# Allegro board SDHCalFEB.brd (continued)
## Routing (per net, layer and track width the routed paths; a pad name or vN(x,y) marks a point on that pad's centre or on a via; arc(x,y) is an arc through that point) (continued)
104.34,100.25 ; v2(104.78,100.25) 105.21,100.25 ; v2(104.78,100.25) 104.78,99.82 ; v2(262.81,259) 262.81,259.44 ; v2(262.81,259) 262.81,258.57 ; v2(262.81,259) 263.25,259 ; v2(262.81,259) 262.38,259 ; 175.26,323.01 v2(175.69,323.01) ; v2(175.69,323.01) 175.69,323.44 ; v2(175.69,323.01) 175.69,322.58 ; v2(175.69,323.01) 176.12,323.01 ; v2(179.83,33.55) 179.83,33.99 ; v2(179.83,33.55) 180.26,33.55 ; v2(179.83,33.55) 179.4,33.55 ; v2(179.83,33.55) 179.83,33.12 ; 178.26,28.19 v1(178.69,28.19) ; v1(178.69,28.19) 178.69,28.63 ; v1(178.69,28.19) 179.12,28.19 ; v1(178.69,28.19) 178.69,27.76 ; 172.19,273.53 v2(172.19,273.96) ; v2(172.19,273.96) 172.19,274.4 ; v2(172.19,273.96) 171.75,273.96 ; v2(172.19,273.96) 172.62,273.96 ; v2(97.92,174.45) 98.35,174.45 ; v2(97.92,174.45) 97.92,174.01 ; v2(97.92,174.45) 97.48,174.45 ; v2(97.92,174.45) 97.92,174.88 ; v2(189.66,173.3) 190.09,173.3 ; v2(189.66,173.3) 189.66,173.74 ; v2(189.66,173.3) 189.66,172.87 ; v2(189.66,173.3) 189.23,173.3 ; v2(187.25,99.57) 187.68,99.57 ; v2(187.25,99.57) 186.82,99.57 ; v2(187.25,99.57) 187.25,99.14 ; v2(187.25,99.57) 187.25,100 ; 149.57,342.7 J38.2 ; J38.2 148.44,343.83 ; J38.2 150.7,343.83 ; J38.2 149.57,344.96 ; 106.43,259.74 v2(106.86,259.74) ; v2(106.86,259.74) 106.86,260.17 ; v2(106.86,259.74) 106.86,259.31 ; v2(106.86,259.74) 107.29,259.74 ; 38.05,338.79 v2(38.48,338.79) ; v2(38.48,338.79) 38.48,339.22 ; v2(38.48,338.79) 38.48,338.35 ; v2(38.48,338.79) 38.91,338.79 ; 249.58,280.26 v2(250.01,280.26) ; v2(250.01,280.26) 250.01,279.83 ; v2(250.01,280.26) 250.01,280.7 ; v2(250.01,280.26) 250.44,280.26 ; J35.B9 v1(391.79,236.35) ; 253.57,279.45 v2(254,279.45) ; v2(254,279.45) 254,279.88 ; v2(254,279.45) 254,279.02 ; v2(254,279.45) 254.43,279.45 ; 364.36,237.59 v1(364.36,238.02) ; v1(364.36,238.02) 363.93,238.02 ; v1(364.36,238.02) 364.36,238.46 ; v1(364.36,238.02) 364.8,238.02 ; 39.48,92.71 v2(39.91,92.71) ; v2(39.91,92.71) 39.91,93.15 ; v2(39.91,92.71) 39.91,92.28 ; 256.8,116.36 v2(257.24,116.36) ; v2(257.24,116.36) 257.24,115.93 ; v2(257.24,116.36) 257.24,116.79 ; 268.17,19.71 v1(268.17,20.14) ; v1(268.17,20.14) 267.74,20.14 ; v1(268.17,20.14) 268.17,20.57 ; v1(268.17,20.14) 268.61,20.14 ; v2(262.15,255.19) 262.59,255.19 ; v2(262.15,255.19) 262.15,255.63 ; v2(262.15,255.19) 262.15,254.76 ; v2(262.15,255.19) 261.72,255.19 ; 229.21,347.62 v1(229.64,347.62) ; v1(229.64,347.62) 229.64,347.19 ; v1(229.64,347.62) 229.64,348.06 ; v1(229.64,347.62) 230.07,347.62 ; v2(174.93,276.4) 175.36,276.4 ; v2(174.93,276.4) 174.93,275.97 ; v2(174.93,276.4) 174.5,276.4 ; v2(174.93,276.4) 174.93,276.84 ; 334.98,90.78 v2(334.98,91.21) ; v2(334.98,91.21) 335.41,91.21 ; v2(334.98,91.21) 334.98,91.64 ; v2(334.98,91.21) 334.54,91.21 ; v2(360.58,184.1) 361.01,184.1 ; v2(360.58,184.1) 360.58,184.53 ; v2(360.58,184.1) 360.15,184.1 ; v2(360.58,184.1) 360.58,183.67 ; 185.55,21.11 v1(185.55,21.54) ; v1(185.55,21.54) 185.11,21.54 ; v1(185.55,21.54) 185.98,21.54 ; v1(185.55,21.54) 185.55,21.97 ; 173.15,100.03 v2(173.58,100.03) ; v2(173.58,100.03) 173.58,99.59 ; v2(173.58,100.03) 174.02,100.03 ; v2(173.58,100.03) 173.58,100.46 ; 257.15,328.75 v2(257.15,329.18) ; v2(257.15,329.18) 257.15,329.62 ; v2(257.15,329.18) 256.72,329.18 ; v2(257.15,329.18) 257.58,329.18 ; v2(260.07,87.71) 260.07,88.14 ; v2(260.07,87.71) 260.07,87.27 ; v2(260.07,87.71) 260.5,87.71 ; v2(260.07,87.71) 259.64,87.71 ; 330.17,200.61 v2(330.61,200.61) ; v2(330.61,200.61) 331.04,200.61 ; v2(330.61,200.61) 330.61,200.18 ; v2(330.61,200.61) 330.61,201.04 ; v2(100.76,167.69) 101.19,167.69 ; v2(100.76,167.69) 100.33,167.69 ; v2(100.76,167.69) 100.76,168.12 ; v2(100.76,167.69) 100.76,167.26 ; v2(79.83,197.99) 79.83,198.43 ; v2(79.83,197.99) 80.26,197.99 ; v2(79.83,197.99) 79.83,197.56 ; v2(79.83,197.99) 79.4,197.99 ; 336.83,169.9 v2(337.26,169.9) ; v2(337.26,169.9) 337.69,169.9 ; v2(337.26,169.9) 337.26,170.33 ; v2(337.26,169.9) 337.26,169.47 ; v1(264.64,21.77) 264.64,22.2 ; v1(264.64,21.77) 264.64,21.34 ; v1(264.64,21.77) 265.07,21.77 ; v1(264.64,21.77) 264.21,21.77 ; v2(188.14,324.38) 188.14,324.82 ; v2(188.14,324.38) 187.71,324.38 ; v2(188.14,324.38) 188.57,324.38 ; v2(188.14,324.38) 188.14,323.95 ; 187.07,173.28 v2(187.5,173.28) ; v2(187.5,173.28) 187.94,173.28 ; v2(187.5,173.28) 187.5,173.71 ; v2(187.5,173.28) 187.5,172.85 ; v1(361.95,136.42) 362.38,136.42 ; v1(361.95,136.42) 361.95,135.99 ; v1(361.95,136.42) 361.95,136.86 ; v1(361.95,136.42) 361.52,136.42 ; 169.48,273.42 J6.4 ; J6.4 170.61,272.29 ; J6.4 171.74,273.42 ; J6.4 170.61,274.55 ; 346.84,316.51 v2(346.84,316.94) ; v2(346.84,316.94) 346.84,317.37 ; v2(346.84,316.94) 346.4,316.94 ; v2(346.84,316.94) 347.27,316.94 ; v1(280.85,351.89) 281.28,351.89 ; v1(280.85,351.89) 280.42,351.89 ; v1(280.85,351.89) 280.85,351.46 ; v1(280.85,351.89) 280.85,352.32 ; v2(258.4,273.69) 258.4,274.12 ; v2(258.4,273.69) 257.97,273.69 ; v2(258.4,273.69) 258.4,273.26 ; v2(176.43,173.53) 176.86,173.53 ; v2(176.43,173.53) 176,173.53 ; v2(176.43,173.53) 176.43,173.97 ; v2(176.43,173.53) 176.43,173.1 ; 262.53,98.17 v2(262.53,98.6) ; v2(262.53,98.6) 262.97,98.6 ; v2(262.53,98.6) 262.53,99.04 ; v2(262.53,98.6) 262.1,98.6 ; 333.04,38.2 v2(333.04,38.63) ; v2(333.04,38.63) 333.04,39.07 ; v2(333.04,38.63) 333.48,38.63 ; v2(333.04,38.63) 332.61,38.63 ; 175.67,82.88 v2(176.1,82.88) ; v2(176.1,82.88) 176.1,83.31 ; v2(176.1,82.88) 176.53,82.88 ; v2(176.1,82.88) 176.1,82.45 ; v2(190.91,342.87) 191.34,342.87 ; v2(190.91,342.87) 190.91,342.44 ; v2(190.91,342.87) 190.47,342.87 ; 331.65,199.26 v2(332.08,199.26) ; v2(332.08,199.26) 332.08,199.7 ; v2(332.08,199.26) 332.08,198.83 ; v2(332.08,199.26) 332.51,199.26 ; 335.43,168.43 J17.5 ; J17.5 334.3,169.56 ; J17.5 336.56,169.56 ; J17.5 335.43,170.69 ; v2(177.52,84.18) 177.95,84.18 ; v2(177.52,84.18) 177.52,83.74 ; v2(177.52,84.18) 177.09,84.18 ; v2(177.52,84.18) 177.52,84.61 ; v2(258.57,327.63) 259,327.63 ; v2(258.57,327.63) 258.14,327.63 ; v2(258.57,327.63) 258.57,327.2 ; v2(258.57,327.63) 258.57,328.07 ; v2(252.04,91.08) 252.04,91.52 ; v2(252.04,91.08) 252.04,90.65 ; v2(252.04,91.08) 251.61,91.08 ; v2(252.04,91.08) 252.48,91.08 ; J5.5 176.31,329.5 ; J5.5 175.18,330.63 ; J5.5 174.05,329.5 ; J5.5 175.18,328.37 ; v2(108.08,324.21) 108.51,324.21 ; v2(108.08,324.21) 107.64,324.21 ; v2(108.08,324.21) 108.08,323.77 ; v2(108.08,324.21) 108.08,324.64 ; J16.2 95.8,200.03 ; J16.2 95.8,197.76 ; J16.2 94.67,198.89 ; J16.2 96.94,198.89 ; 339.24,177.8 v2(339.24,178.23) ; v2(339.24,178.23) 338.81,178.23 ; v2(339.24,178.23) 339.67,178.23 ; v2(339.24,178.23) 339.24,178.66 ; C1456.2 326.26,47.37 ; C1456.2 325.07,46.05 ; C1456.2 325.07,48.69 ; 80.57,39.37 v2(81,39.37) ; v2(81,39.37) 81,39.8 ; v2(81,39.37) 81,38.94 ; v2(81,39.37) 81.43,39.37 ; 174.42,162.13 v2(174.42,162.56) ; v2(174.42,162.56) 174.42,162.99 ; v2(174.42,162.56) 173.99,162.56 ; v2(174.42,162.56) 174.85,162.56 ; v2(110.87,177.6) 110.87,178.03 ; v2(110.87,177.6) 111.3,177.6 ; v2(110.87,177.6) 110.44,177.6 ; v2(110.87,177.6) 110.87,177.16 ; v2(326.8,46.2) 326.8,46.63 ; v2(326.8,46.2) 326.8,45.77 ; v2(326.8,46.2) 327.23,46.2 ; v2(326.8,46.2) 326.36,46.2 ; 260.6,243.41 v2(260.6,243.84) ; v2(260.6,243.84) 260.6,244.27 ; v2(260.6,243.84) 260.17,243.84 ; v2(260.6,243.84) 261.04,243.84 ; J40.2 299.25,349.99 ; J40.2 300.38,348.86 ; J40.2 299.25,347.73 ; J40.2 298.12,348.86 ; v2(97.92,172.77) 98.35,172.77 ; v2(97.92,172.77) 97.48,172.77 ; v2(97.92,172.77) 97.92,172.34 ; v2(97.92,172.77) 97.92,173.2 ; v2(97.92,261.67) 97.92,262.1 ; v2(97.92,261.67) 98.35,261.67 ; v2(97.92,261.67) 97.92,261.24 ; v2(97.92,261.67) 97.48,261.67 ; v2(237.79,197.69) 237.79,198.12 ; v2(237.79,197.69) 237.36,197.69 ; v2(237.79,197.69) 237.79,197.26 ; v2(237.79,197.69) 238.23,197.69 ; v2(187.96,255.85) 187.96,256.29 ; v2(187.96,255.85) 187.96,255.42 ; v2(187.96,255.85) 187.53,255.85 ; v2(187.96,255.85) 188.39,255.85 ; J23.5 95.16,169.48 ; J23.5 94.03,170.61 ; J23.5 94.03,168.35 ; 254.85,258.55 J45.5 ; J45.5 253.72,259.68 ; J45.5 255.98,259.68 ; J45.5 254.85,260.81 ; v1(18.75,27.38) 18.75,27.81 ; v1(18.75,27.38) 18.31,27.38 ; v1(18.75,27.38) 19.18,27.38 ; v1(18.75,27.38) 18.75,26.95 ; J64.2 189.94,179.95 ; J64.2 188.81,178.82 ; J64.2 188.81,181.08 ; J64.2 187.68,179.95 ; 96.9,168.6 v2(96.9,169.04) ; v2(96.9,169.04) 96.9,169.47 ; v2(96.9,169.04) 96.47,169.04 ; v2(96.9,169.04) 97.33,169.04 ; J33.A14 v1(394.88,115.19) ; v2(32.21,253.19) 32.64,253.19 ; v2(32.21,253.19) 31.77,253.19 ; v2(32.21,253.19) 32.21,252.75 ; v2(32.21,253.19) 32.21,253.62 ; 168.66,40.39 v2(169.09,40.39) ; v2(169.09,40.39) 169.52,40.39 ; v2(169.09,40.39) 169.09,40.82 ; v2(169.09,40.39) 169.09,39.95 ; 256.11,249.61 v2(256.11,250.04) ; v2(256.11,250.04) 255.68,250.04 ; v2(256.11,250.04) 256.11,250.47 ; v2(256.11,250.04) 256.54,250.04 ; 181.74,96.88 v2(182.17,96.88) ; v2(182.17,96.88) 182.17,96.44 ; v2(182.17,96.88) 182.6,96.88 ; v2(182.17,96.88) 182.17,97.31 ; 357.81,185.95 v1(357.81,186.39) ; v1(357.81,186.39) 358.24,186.39 ; v1(357.81,186.39) 357.38,186.39 ; v1(357.81,186.39) 357.81,186.82 ; 21.64,27.94 v1(21.64,28.37) ; v1(21.64,28.37) 22.07,28.37 ; v1(21.64,28.37) 21.64,28.8 ; v1(21.64,28.37) 21.21,28.37 ; v2(269.14,176.66) 269.14,177.09 ; v2(269.14,176.66) 269.57,176.66 ; v2(269.14,176.66) 269.14,176.22 ; v2(269.14,176.66) 268.71,176.66 ; 23.55,27.94 v1(23.55,28.37) ; v1(23.55,28.37) 23.55,28.8 ; v1(23.55,28.37) 23.11,28.37 ; v1(23.55,28.37) 23.98,28.37 ; 37.57,174.93 v2(37.57,175.36) ; v2(37.57,175.36) 38,175.36 ; v2(37.57,175.36) 37.57,175.79 ; v2(37.57,175.36) 37.13,175.36 ; v2(179.88,86.41) 179.88,86.84 ; v2(179.88,86.41) 179.88,85.98 ; v2(179.88,86.41) 180.32,86.41 ; v2(179.88,86.41) 179.45,86.41 ; 256.62,171.55 v2(256.62,171.98) ; v2(256.62,171.98) 256.18,171.98 ; v2(256.62,171.98) 256.62,172.42 ; v2(256.62,171.98) 257.05,171.98 ; J20.3 255.32,114.76 ; J20.3 255.32,112.5 ; J20.3 256.45,113.63 ; J20.3 254.19,113.63 ; U65.103 v2(313.41,299.47) ; v2(328.52,39.62) 328.96,39.62 ; v2(328.52,39.62) 328.52,40.06 ; v2(328.52,39.62) 328.09,39.62 ; v2(328.52,39.62) 328.52,39.19 ; v2(256.24,324.23) 256.67,324.23 ; v2(256.24,324.23) 256.24,323.8 ; v2(256.24,324.23) 255.8,324.23 ; v2(256.24,324.23) 256.24,324.66 ; v2(111.02,96.01) 111.46,96.01 ; v2(111.02,96.01) 111.02,96.44 ; v2(111.02,96.01) 110.59,96.01 ; v2(111.02,96.01) 111.02,95.58 ; v2(96.98,89.13) 96.98,89.56 ; v2(96.98,89.13) 97.41,89.13 ; v2(96.98,89.13) 96.54,89.13 ; v2(96.98,89.13) 96.98,88.7 ; 97.31,255.35 v2(97.31,255.78) ; v2(97.31,255.78) 97.31,256.21 ; v2(97.31,255.78) 97.74,255.78 ; v2(97.31,255.78) 96.88,255.78 ; v2(177.93,33.55) 178.36,33.55 ; v2(177.93,33.55) 177.93,33.99 ; v2(177.93,33.55) 177.49,33.55 ; v2(177.93,33.55) 177.93,33.12 ; v2(102.9,339.42) 103.33,339.42 ; v2(102.9,339.42) 102.9,338.99 ; v2(102.9,339.42) 102.46,339.42 ; v2(102.9,339.42) 102.9,339.85 ; 225.09,353.09 v1(225.53,353.09) ; v1(225.53,353.09) 225.53,353.52 ; v1(225.53,353.09) 225.53,352.65 ; v1(225.53,353.09) 225.96,353.09 ; v2(188.49,177.11) 188.49,177.55 ; v2(188.49,177.11) 188.93,177.11 ; v2(188.49,177.11) 188.06,177.11 ; v2(188.49,177.11) 188.49,176.68 ; 188.26,323.21 v2(188.7,323.21) ; v2(188.7,323.21) 189.13,323.21 ; v2(188.7,323.21) 188.7,322.78 ; v2(188.7,323.21) 188.7,323.65 ; 176.17,171.25 v2(176.61,171.25) ; v2(176.61,171.25) 176.61,170.81 ; v2(176.61,171.25) 176.61,171.68 ; v2(176.61,171.25) 177.04,171.25 ; v2(259.33,257.94) 259.33,258.37 ; v2(259.33,257.94) 259.77,257.94 ; v2(259.33,257.94) 258.9,257.94 ; v2(259.33,257.94) 259.33,257.5 ; v2(248.31,114.45) 248.74,114.45 ; v2(248.31,114.45) 248.31,114.02 ; v2(248.31,114.45) 247.88,114.45 ; v2(248.31,114.45) 248.31,114.88 ; 149.07,336.75 v2(149.07,337.19) ; v2(149.07,337.19) 148.64,337.19 ; v2(149.07,337.19) 149.07,337.62 ; v2(149.07,337.19) 149.5,337.19 ; v2(36.2,256.97) 36.63,256.97 ; v2(36.2,256.97) 35.76,256.97 ; v2(36.2,256.97) 36.2,256.54 ; v2(36.2,256.97) 36.2,257.4 ; 258.07,170.07 J19.2 ; J19.2 259.2,171.2 ; J19.2 259.2,168.93 ; J19.2 260.33,170.07 ; 338.63,173.15 v2(339.06,173.15) ; v2(339.06,173.15) 339.06,172.72 ; v2(339.06,173.15) 339.5,173.15 ; v2(339.06,173.15) 339.06,173.58 ; 39.32,168.61 v2(39.75,168.61) ; v2(39.75,168.61) 39.75,169.04 ; v2(39.75,168.61) 40.18,168.61 ; v2(39.75,168.61) 39.75,168.17 ; v2(179.58,331.39) 180.01,331.39 ; v2(179.58,331.39) 179.15,331.39 ; v2(179.58,331.39) 179.58,331.83 ; v2(179.58,331.39) 179.58,330.96 ; 89.92,198.89 J16.5 ; J16.5 92.19,198.89 ; J16.5 91.05,200.03 ; J16.5 91.05,197.76 ; J64.4 184.06,176.33 ; J64.4 185.19,175.2 ; J64.4 184.06,174.07 ; J64.4 182.93,175.2 ; 334.84,83.64 J25.4 ; J25.4 334.84,85.9 ; J25.4 333.71,84.77 ; J25.4 335.98,84.77 ; 257.18,119.6 v2(257.18,120.03) ; v2(257.18,120.03) 256.74,120.03 ; v2(257.18,120.03) 257.18,120.47 ; 256.03,197.64 J12.2 ; J12.2 256.03,199.9 ; J12.2 257.16,198.77 ; J12.2 254.9,198.77 ; v2(32.82,254.89) 32.82,255.32 ; v2(32.82,254.89) 33.25,254.89 ; v2(32.82,254.89) 32.82,254.46 ; v2(32.82,254.89) 32.38,254.89 ; 32.33,336.04 v2(32.77,336.04) ; v2(32.77,336.04) 33.2,336.04 ; v2(32.77,336.04) 32.77,335.61 ; v2(32.77,336.04) 32.77,336.47 ; v2(264.06,179.2) 264.49,179.2 ; v2(264.06,179.2) 263.63,179.2 ; v2(264.06,179.2) 264.06,179.63 ; v2(264.06,179.2) 264.06,178.76 ; v1(162.51,23.55) 162.94,23.55 ; v1(162.51,23.55) 162.08,23.55 ; v1(162.51,23.55) 162.51,23.11 ; v1(162.51,23.55) 162.51,23.98 ; v2(178.74,162.66) 179.17,162.66 ; v2(178.74,162.66) 178.31,162.66 ; v2(178.74,162.66) 178.74,162.23 ; v2(178.74,162.66) 178.74,163.09 ; 301.07,342.09 v2(301.5,342.09) ; v2(301.5,342.09) 301.5,342.52 ; v2(301.5,342.09) 301.93,342.09 ; v2(301.5,342.09) 301.5,341.65 ; 168.3,112.17 v2(168.3,112.6) ; v2(168.3,112.6) 168.73,112.6 ; v2(168.3,112.6) 168.3,113.03 ; v2(168.3,112.6) 167.87,112.6 ; v1(360.96,187.55) 361.39,187.55 ; v1(360.96,187.55) 360.53,187.55 ; v1(360.96,187.55) 360.96,187.12 ; v1(360.96,187.55) 360.96,187.99 ; 201.52,349.99 v1(201.96,349.99) ; v1(201.96,349.99) 202.39,349.99 ; v1(201.96,349.99) 201.96,350.42 ; v1(201.96,349.99) 201.96,349.55 ; v2(311.66,342.09) 312.09,342.09 ; v2(311.66,342.09) 311.23,342.09 ; v2(311.66,342.09) 311.66,341.65 ; v2(311.66,342.09) 311.66,342.52 ; 25.78,334.37 v2(25.78,334.8) ; v2(25.78,334.8) 25.78,335.23 ; v2(25.78,334.8) 25.35,334.8 ; v2(25.78,334.8) 26.21,334.8 ; v2(181.79,179.93) 181.79,180.37 ; v2(181.79,179.93) 182.22,179.93 ; v2(181.79,179.93) 181.36,179.93 ; v2(181.79,179.93) 181.79,179.5 ; v2(179.91,182.75) 179.91,183.19 ; v2(179.91,182.75) 179.48,182.75 ; v2(179.91,182.75) 179.91,182.32 ; 344.04,314.5 v2(344.47,314.5) ; v2(344.47,314.5) 344.47,314.07 ; v2(344.47,314.5) 344.91,314.5 ; v2(344.47,314.5) 344.47,314.94 ; J6.2 176.49,278.17 ; J6.2 175.36,279.3 ; J6.2 174.23,278.17 ; J6.2 175.36,277.04 ; v2(97.61,91.39) 98.04,91.39 ; v2(97.61,91.39) 97.61,90.96 ; v2(97.61,91.39) 97.61,91.82 ; v2(97.61,91.39) 97.18,91.39 ; v2(184.48,98.45) 184.91,98.45 ; v2(184.48,98.45) 184.05,98.45 ; v2(184.48,98.45) 184.48,98.02 ; v2(184.48,98.45) 184.48,98.88 ; J35.A32 v1(394.88,265.56) ; 78.02,118.42 v2(78.46,118.42) 78.46,117.99 ; 99.58,173.92 J51.3 ; J51.3 99.58,176.18 ; J51.3 100.71,175.05 ; J51.3 98.45,175.05 ; 335.69,120.22 v2(335.69,120.65) ; v2(335.69,120.65) 335.25,120.65 ; v2(335.69,120.65) 335.69,121.08 ; v2(335.69,120.65) 336.12,120.65 ; 237.28,118.42 v2(237.71,118.42) ; v2(237.71,118.42) 237.71,117.99 ; v2(237.71,118.42) 238.15,118.42 ; J10.3 336.23,194.07 ; J10.3 335.1,192.94 ; J10.3 335.1,195.2 ; J10.3 333.97,194.07 ; 28.7,257.15 v2(28.7,257.58) ; v2(28.7,257.58) 28.7,258.01 ; v2(28.7,257.58) 29.13,257.58 ; v2(28.7,257.58) 28.27,257.58 ; 174.17,355.9 v1(174.6,355.9) ; v1(174.6,355.9) 175.03,355.9 ; v1(174.6,355.9) 174.6,356.34 ; v1(174.6,355.9) 174.6,355.47 ; 109.35,258.04 v2(109.35,258.47) ; v2(109.35,258.47) 108.91,258.47 ; v2(109.35,258.47) 109.78,258.47 ; v2(109.35,258.47) 109.35,258.9 ; v2(98.48,247.93) 98.91,247.93 ; v2(98.48,247.93) 98.48,247.5 ; v2(98.48,247.93) 98.48,248.36 ; v2(98.48,247.93) 98.04,247.93 ; 177.09,254.38 v2(177.09,254.81) ; v2(177.09,254.81) 176.66,254.81 ; v2(177.09,254.81) 177.09,255.25 ; v2(177.09,254.81) 177.52,254.81 ; 339.95,167.28 v2(339.95,167.72) ; v2(339.95,167.72) 340.39,167.72 ; v2(339.95,167.72) 339.95,168.15 ; v2(339.95,167.72) 339.52,167.72 ; R1071.1 327.59,38.71 ; R1071.1 327.01,38.15 ; R1071.1 328.18,38.15 ; R1071.1 327.59,37.59 ; 177.47,200.94 v2(177.9,200.94) ; v2(177.9,200.94) 177.9,200.51 ; v2(177.9,200.94) 178.33,200.94 ; v2(177.9,200.94) 177.9,201.37 ; v2(173.3,96.29) 173.74,96.29 ; v2(173.3,96.29) 173.3,95.86 ; v2(173.3,96.29) 172.87,96.29 ; v2(173.3,96.29) 173.3,96.72 ; v2(335.89,200.66) 336.32,200.66 ; v2(335.89,200.66) 335.89,200.23 ; v2(335.89,200.66) 335.89,201.09 ; v2(335.89,200.66) 335.46,200.66 ; 40.69,172.11 R1948.1 40.69,173.28 ; 34.71,327.84 C346.2 ; C346.2 34.71,330.48 ; C346.2 33.52,329.16 ; J54.5 103.94,25.97 ; J54.5 102.81,24.84 ; J54.5 101.68,25.97 ; J54.5 102.81,27.1 ; 256.29,243.43 v2(256.72,243.43) ; v2(256.72,243.43) 257.15,243.43 ; v2(256.72,243.43) 256.72,243 ; v2(256.72,243.43) 256.72,243.87 ; v2(99.52,246.89) 99.95,246.89 ; v2(99.52,246.89) 99.52,247.32 ; v2(99.52,246.89) 99.08,246.89 ; v2(99.52,246.89) 99.52,246.46 ; 102.77,35 v2(103.2,35) ; v2(103.2,35) 103.63,35 ; v2(103.2,35) 103.2,34.57 ; v2(103.2,35) 103.2,35.43 ; 178.18,196.21 v2(178.18,196.65) ; v2(178.18,196.65) 177.75,196.65 ; v2(178.18,196.65) 178.61,196.65 ; v2(178.18,196.65) 178.18,197.08 ; 38.4,176.3 v2(38.4,176.73) ; v2(38.4,176.73) 38.84,176.73 ; v2(38.4,176.73) 38.4,177.17 ; v2(38.4,176.73) 37.97,176.73 ; 149.12,340.36 v2(149.12,340.79) ; v2(149.12,340.79) 149.12,341.22 ; v2(149.12,340.79) 148.69,340.79 ; v2(149.12,340.79) 149.56,340.79 ; 180.39,256.84 v2(180.39,257.28) ; v2(180.39,257.28) 180.39,257.71 ; v2(180.39,257.28) 179.96,257.28 ; v2(180.39,257.28) 180.82,257.28 ; v1(98.32,26.24) 98.32,26.67 ; v1(98.32,26.24) 98.76,26.24 ; v1(98.32,26.24) 98.32,25.81 ; v1(98.32,26.24) 97.89,26.24 ; U1051.13 v1(351.57,188.59) ; v2(81.05,40.74) 81.05,41.17 ; v2(81.05,40.74) 81.05,40.31 ; v2(81.05,40.74) 80.62,40.74 ; v2(81.05,40.74) 81.48,40.74 ; 28.75,89.33 v2(29.18,89.33) ; v2(29.18,89.33) 29.18,88.9 ; v2(29.18,89.33) 29.18,89.76 ; v2(29.18,89.33) 29.62,89.33 ; 100.6,242.78 R1686.1 ; 94.01,277.27 v2(94.01,277.7) ; v2(94.01,277.7) 94.44,277.7 ; v2(94.01,277.7) 93.57,277.7 ; v2(94.01,277.7) 94.01,278.13 ; 353.06,265.45 v1(353.06,265.89) ; v1(353.06,265.89) 353.49,265.89 ; v1(353.06,265.89) 352.63,265.89 ; v1(353.06,265.89) 353.06,266.32 ; 32.94,329.97 v2(32.94,330.4) ; v2(32.94,330.4) 32.51,330.4 ; v2(32.94,330.4) 33.38,330.4 ; v2(32.94,330.4) 32.94,330.84 ; U1050.7 v1(348.34,200.43) ; v1(260.32,19.79) 260.76,19.79 ; v1(260.32,19.79) 260.32,19.35 ; v1(260.32,19.79) 259.89,19.79 ; v1(260.32,19.79) 260.32,20.22 ; v2(356.06,188.21) 356.49,188.21 ; v2(356.06,188.21) 356.06,187.78 ; v2(356.06,188.21) 356.06,188.65 ; v2(356.06,188.21) 355.62,188.21 ; 374.27,111.33 v1(374.7,111.33) ; v1(374.7,111.33) 374.7,110.9 ; v1(374.7,111.33) 375.13,111.33 ; v1(374.7,111.33) 374.7,111.76 ; 104.6,96.01 v2(104.6,96.44) ; v2(104.6,96.44) 104.16,96.44 ; v2(104.6,96.44) 105.03,96.44 ; v2(104.6,96.44) 104.6,96.88 ; v2(232.18,117.35) 232.61,117.35 ; v2(232.18,117.35) 231.75,117.35 ; v2(232.18,117.35) 232.18,116.92 ; v2(232.18,117.35) 232.18,117.78 ; 92.27,89.41 v2(91.84,89.41) 91.84,89.84 ; v2(340.03,172.24) 340.03,172.67 ; v2(340.03,172.24) 340.46,172.24 ; v2(340.03,172.24) 340.03,171.81 ; v2(340.03,172.24) 339.6,172.24 ; v2(98.02,324.33) 98.45,324.33 ; v2(98.02,324.33) 98.02,324.76 ; v2(98.02,324.33) 97.59,324.33 ; v2(98.02,324.33) 98.02,323.9 ; 98.65,251.33 v2(98.65,251.76) ; v2(98.65,251.76) 98.65,252.2 ; v2(98.65,251.76) 98.22,251.76 ; v2(98.65,251.76) 99.09,251.76 ; 266.94,101.78 v2(266.94,102.21) ; J48.2 339.71,180.98 ; J48.2 338.58,179.85 ; J48.2 340.84,179.85 ; J48.2 339.71,178.72 ; v2(336.75,179.53) 336.75,179.96 ; v2(336.75,179.53) 337.19,179.53 ; v2(336.75,179.53) 336.32,179.53 ; v2(336.75,179.53) 336.75,179.09 ; 177.65,260.58 v2(178.08,260.58) ; v2(178.08,260.58) 178.08,261.01 ; v2(178.08,260.58) 178.51,260.58 ; v2(178.08,260.58) 178.08,260.15 